# Allegro board 8880F5-0823_2_1.brd (continued)
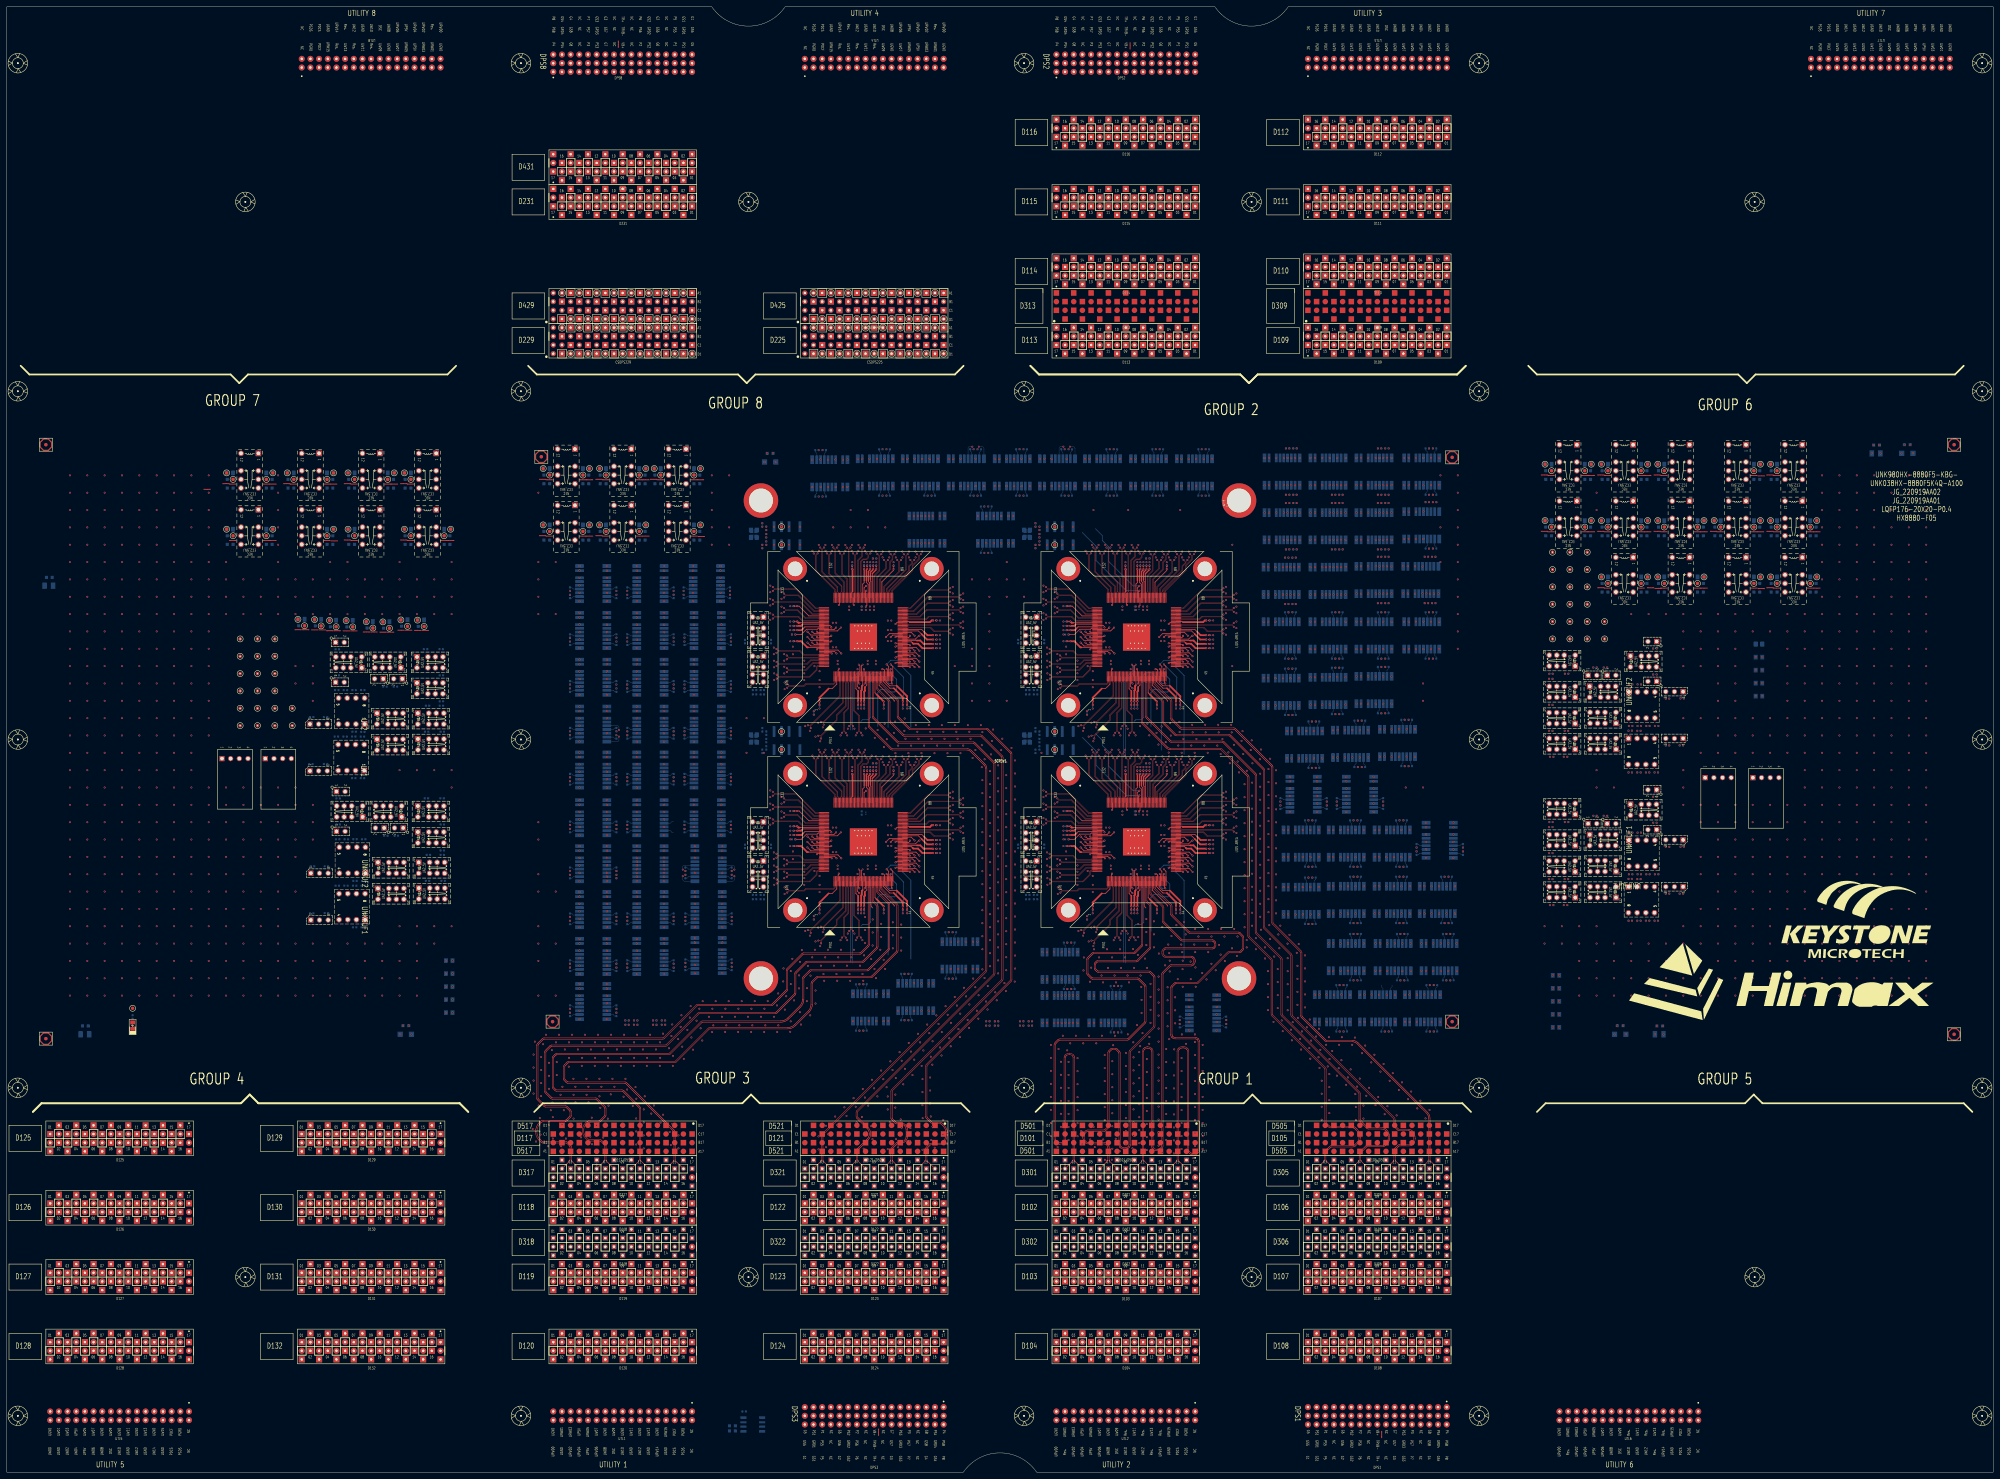
[diagram p0: board, top side]
## Routing (per net, layer and track width the routed paths; a pad name or vN(x,y) marks a point on that pad's centre or on a via; arc(x,y) is an arc through that point) (continued)
S2_SCAN_DCH018: length 3.7
  TOP w0.231: v1(345.83,240.63) 345.23,241.23 SITE2.58
S2_SCAN_DCH019: length 5.3
  TOP w0.231: SITE2.59 346.22,241.63 v1(347.22,240.63)
S2_SCAN_DCH020: length 2.2
  TOP w0.231: SITE2.60 340.43,242.03 v1(340.23,241.83)
S2_SCAN_DCH021: length 2.2
  TOP w0.231: v1(344.43,242.23) 344.23,242.43 SITE2.61
S2_SCAN_DCH024: length 2.2
  TOP w0.231: v1(340.23,244.63) 340.43,244.83 SITE2.67
S2_SCAN_DCH025: length 3.7
  TOP w0.231: v1(338.83,244.63) 339.43,245.23 SITE2.68
S2_SCAN_DCH026: length 5.3
  TOP w0.231: SITE2.69 338.44,245.63 v1(337.44,244.63)
S2_SCAN_DCH031: length 3.7
  TOP w0.231: SITE2.149 322.23,246.83 v1(322.83,247.43)
S2_SCAN_DCH032: length 5.3
  TOP w0.231: v1(324.22,247.43) 323.22,246.43 SITE2.150
S2_SCAN_DCH033: length 2.2
  TOP w0.231: v1(317.23,246.23) 317.43,246.03 SITE2.151
S2_SCAN_DCH034: length 3.7
  TOP w0.231: SITE2.152 316.43,245.63 v1(315.83,246.23)
S2_SPI_1_CSN:
  vias: v1(474.99,230.78)
S2_SPI_1_SCK:
  vias: v1(480.07,218.59)
S2_SPI_1_SDI:
  vias: v1(456.19,217.17)
S2_SPI_1_SDO:
  vias: v1(455.94,209.55)
S2_SPI_2_CSN:
  vias: v1(475.87,217.23)
S2_SPI_2_SCK:
  vias: v1(479.97,204.98)
S2_SPI_2_SDI:
  vias: v1(451.62,217.17)
S2_SPI_2_SDO:
  vias: v1(451.87,209.55)
S2_SPI_11_SDI:
  vias: v1(457.19,217.17) v1(477.53,230.78)
S2_SPI_11_SDO:
  vias: v1(456.94,209.55) v1(482.61,218.59)
S2_SPI_22_SDI:
  vias: v1(452.62,217.17) v1(477.43,217.17)
S2_SPI_22_SDO:
  vias: v1(452.87,209.55) v1(482.51,204.98)
S2_SPI_CSN: length 25.9
  TOP w0.231: SITE2.43 339.03,231.23 v1(339.23,231.03)
  BOTTOM w0.231: v1(339.23,231.03) 338.4,231.03 335.17,234.25 333.57,234.25 332.91,233.59 332.91,221.11 332.25,220.44 330.61,220.44 330.11,219.95
S2_SPI_SCK: length 25.3
  TOP w0.231: v1(338.83,235.23) 338.63,235.03 SITE2.42
  BOTTOM w0.231: 335.03,218.48 335.03,228.39 335.92,229.27 337.17,229.27 337.9,228.54 339.96,228.54 340.53,229.11 340.53,232.28 338.83,233.98 v1(338.83,235.23)
S2_SPI_SDI: length 34.1
  TOP w0.231: v1(338.83,236.63) 339.43,236.03 SITE2.44
  BOTTOM w0.231: v1(338.83,236.63) 342.6,232.86 342.6,227.63 342.04,227.06 338.85,227.06 338.07,226.28 338.07,211.53
S2_SPI_SDO: length 37
  TOP w0.231: v1(337.63,236.63) 338.23,236.03 SITE2.41
  BOTTOM w0.231: 344.72,210.32 344.72,233.4 342.29,235.83 342.29,237.04 341.5,237.83 338.83,237.83 v1(337.63,236.63)
S2_XTAL_IN: length 28.3
  TOP w0.231: SITE2.109 331.43,258.03 v1(331.63,258.23)
  BOTTOM w0.231: 314.98,275.24 318.94,271.27 318.94,267.1 327.82,258.23 v1(331.63,258.23)
  vias: v1(306.85,271.67)
S2_XTAL_OUT: length 26.8
  TOP w0.231: v1(331.63,259.63) 331.03,259.03 SITE2.110
  BOTTOM w0.231: v1(331.63,259.63) 329.83,259.63 322.59,266.87 322.59,271.15 320.8,272.93 320.8,274.36 318.8,276.35
  vias: v1(306.85,276.97)
S3_1TX_100DCH001+: length 267
  L07_SIGNAL w0.071: v1(276.97,144.59) 276.57,144.59 276.5,144.52 276.5,136.26 274.73,134.49 274.73,107.93 280.73,101.92 280.73,52.62 275.81,47.71 267.67,47.71 266.64,48.73 266.64,53.4 264.16,55.88
  L30_SIGNAL w0.071: v1(276.97,144.59) 276.5,144.12 276.5,140.56 273.33,137.39 268.79,137.39 266.84,135.43 266.84,131.56 263.39,128.1 197.68,128.1 195.89,129.89 195.89,136.8 188.37,144.32 188.37,176.38 188.09,176.66 v1(184.47,176.66)
S3_1TX_100DCH001-: length 265.6
  L07_SIGNAL w0.071: v1(275.82,144.59) 276.23,144.59 276.3,144.52 276.3,136.34 274.53,134.57 274.53,107.84 280.53,101.84 280.53,52.7 275.73,47.9 267.75,47.9 266.84,48.82 266.84,53.48 269.24,55.88
  L30_SIGNAL w0.071: v1(192.47,176.66) 188.84,176.66 188.57,176.38 188.57,144.41 196.09,136.88 196.09,129.97 197.76,128.3 263.31,128.3 266.64,131.64 266.64,135.52 268.71,137.58 273.24,137.58 276.3,140.64 276.3,144.12 v1(275.82,144.59)
S3_1TX_100DCH002+: length 168.4
  TOP w0.086: SITE3.75 263.98,188.03 264.06,188.11 278.84,188.11 v1(279.29,187.66)
  L07_SIGNAL w0.071: 266.7,58.42 269.11,60.83 269.11,61.56 269.79,62.24 275.06,62.24 277.48,64.65 277.48,102.78 272.28,107.97 272.28,129.23 273.6,130.54 273.6,143.9 271.58,145.92 271.58,158.92 272.89,160.23 275.77,160.23 276.5,159.5 276.5,158.25 276.57,158.18 v1(276.97,158.18)
  L30_SIGNAL w0.071: v1(279.29,187.66) 278.82,188.13 278.21,188.13 277.84,187.75 277.84,171.96 276.51,170.64 276.51,158.64 v1(276.97,158.18)
S3_1TX_100DCH002-: length 168.1
  TOP w0.086: SITE3.76 263.98,188.43 264.06,188.35 278.84,188.35 v1(279.29,188.8)
  L07_SIGNAL w0.071: v1(275.82,158.18) 276.23,158.18 276.3,158.25 276.3,159.42 275.69,160.03 272.97,160.03 271.78,158.83 271.78,146 273.79,143.98 273.79,130.46 272.48,129.14 272.48,108.06 277.67,102.86 277.67,64.57 275.15,62.04 269.87,62.04 269.31,61.48 269.31,60.89 271.78,58.42
  L30_SIGNAL w0.071: v1(275.82,158.18) 276.31,158.66 276.31,170.72 277.64,172.05 277.64,187.83 278.13,188.33 278.82,188.33 v1(279.29,188.8)
S3_1TX_100DCH003+: length 226.2
  TOP w0.086: v1(276.24,190.09) 275.8,190.53 270.02,190.53 269.2,189.71 264.06,189.71 263.98,189.63 SITE3.79
  L07_SIGNAL w0.071: v1(250.81,129.35) 250.4,129.35 250.33,129.28 250.33,128.39 222.24,100.3 222.24,51.94 226.52,47.66 253.05,47.66 256.47,51.08 256.47,53.46 254.05,55.88 254,55.88
  L30_SIGNAL w0.071: v1(250.81,129.35) 250.33,129.82 250.33,130.94 253.43,134.03 253.43,140.18 258.74,145.49 258.74,164.96 263.84,170.06 263.84,189.54 264.86,190.56 275.77,190.56 v1(276.24,190.09)
S3_1TX_100DCH003-: length 227.2
  TOP w0.086: v1(276.24,191.23) 275.78,190.77 269.92,190.77 269.1,189.95 264.06,189.95 263.98,190.03 SITE3.80
  L07_SIGNAL w0.071: v1(249.66,129.35) 250.06,129.35 250.14,129.28 250.14,128.48 222.04,100.38 222.04,51.86 226.44,47.46 253.14,47.46 256.67,50.99 256.67,53.47 259.08,55.88
  L30_SIGNAL w0.071: v1(276.24,191.23) 275.77,190.76 264.77,190.76 263.64,189.62 263.64,170.14 258.54,165.04 258.54,145.57 253.23,140.26 253.23,134.12 250.13,131.02 250.13,129.82 v1(249.66,129.35)
S3_1TX_100DCH004+: length 242.8
  TOP w0.086: v1(279.29,192.02) 278.8,192.51 269.46,192.51 267.46,190.51 264.06,190.51 263.98,190.43 SITE3.81
  L07_SIGNAL w0.071: 180.34,55.88 182.84,53.38 182.84,49.46 184.32,47.98 202.8,47.98 208.13,53.31 208.13,96.73 248.85,137.45 248.85,140.35 250.33,141.84 250.33,142.87 250.4,142.94 v1(250.81,142.94)
  L30_SIGNAL w0.071: v1(250.81,142.94) 250.33,142.46 250.33,141.49 250.71,141.11 252.76,141.11 255.37,143.72 255.37,146.79 257.5,148.93 257.5,166.01 261.97,170.48 261.97,189.55 265.26,192.84 277.24,192.84 279.47,190.61 280.88,190.61 281.3,191.03 281.3,191.99 280.8,192.49 279.76,192.49 v1(279.29,192.02)
S3_1TX_100DCH004-: length 243
  TOP w0.086: SITE3.82 263.98,190.83 264.06,190.75 267.37,190.75 269.36,192.75 278.88,192.75 v1(279.29,193.16)
  L07_SIGNAL w0.071: v1(249.66,142.94) 250.06,142.94 250.14,142.87 250.14,141.92 248.65,140.44 248.65,137.53 207.93,96.82 207.93,53.4 202.71,48.17 184.41,48.17 183.04,49.54 183.04,53.5 185.42,55.88
  L30_SIGNAL w0.071: v1(249.66,142.94) 250.13,142.47 250.13,141.41 250.63,140.91 252.84,140.91 255.56,143.63 255.56,146.71 257.7,148.85 257.7,165.93 262.17,170.39 262.17,189.47 265.34,192.64 277.15,192.64 279.39,190.41 280.96,190.41 281.5,190.95 281.5,192.08 280.89,192.69 279.76,192.69 v1(279.29,193.16)
S3_1TX_100DCH005+: length 220
  TOP w0.086: SITE3.83 263.98,191.23 264.06,191.31 266.53,191.31 269.61,194.39 275.8,194.39 v1(276.24,193.95)
  L07_SIGNAL w0.071: 246.38,58.42 248.79,60.83 248.79,61.46 248.32,61.94 230.56,61.94 226.2,66.3 226.2,98.56 261.49,133.85 262.98,133.85 263.54,133.29 263.54,132.47 263.61,132.4 v1(264.01,132.4)
  L30_SIGNAL w0.071: v1(276.24,193.95) 276.72,194.42 280.68,194.42 282.25,192.85 282.25,160.74 278.41,156.91 268.76,156.91 259.65,147.8 259.65,131.08 260.69,130.04 262.93,130.04 263.54,130.64 263.54,131.93 v1(264.01,132.4)
S3_1TX_100DCH005-: length 219
  TOP w0.086: v1(276.24,195.09) 275.78,194.63 269.51,194.63 266.43,191.55 264.06,191.55 263.98,191.63 SITE3.84
  L07_SIGNAL w0.071: v1(262.87,132.4) 263.27,132.4 263.34,132.47 263.34,133.21 262.9,133.65 261.58,133.65 226.4,98.47 226.4,66.38 230.65,62.13 248.4,62.13 248.99,61.54 248.99,60.89 251.46,58.42
  L30_SIGNAL w0.071: v1(262.87,132.4) 263.34,131.93 263.34,130.73 262.85,130.23 260.77,130.23 259.84,131.16 259.84,147.71 268.84,156.71 278.5,156.71 282.44,160.66 282.44,192.94 280.76,194.62 276.72,194.62 v1(276.24,195.09)
S3_1TX_100DCH006+: length 225.2
  TOP w0.086: v1(279.29,195.88) 278.81,196.36 269.82,196.36 265.58,192.11 264.06,192.11 263.98,192.03 SITE3.85
  L07_SIGNAL w0.071: 243.84,55.88 246.3,53.42 246.3,51.63 244.73,50.07 228.14,50.07 224.31,53.89 224.31,100.65 261.98,138.32 261.98,143.16 263.54,144.73 263.54,145.91 263.61,145.99 v1(264.01,145.99)
  L30_SIGNAL w0.071: v1(279.29,195.88) 279.76,196.35 281.29,196.35 283.34,194.3 283.34,159.09 268.45,144.19 264.03,144.19 263.55,144.67 263.55,145.53 v1(264.01,145.99)
S3_1TX_100DCH006-: length 226.8
  TOP w0.086: SITE3.86 263.98,192.43 264.06,192.35 265.48,192.35 269.73,196.6 278.87,196.6 v1(279.29,197.02)
  L07_SIGNAL w0.071: v1(262.87,145.99) 263.27,145.99 263.34,145.91 263.34,144.81 261.78,143.25 261.78,138.4 224.12,100.74 224.12,53.81 228.06,49.87 244.82,49.87 246.5,51.55 246.5,53.46 248.92,55.88
  L30_SIGNAL w0.071: v1(279.29,197.02) 279.76,196.55 281.38,196.55 283.54,194.38 283.54,159 268.54,144 263.95,144 263.36,144.59 263.36,145.5 v1(262.87,145.99)
S3_1TX_100DCH007+: length 297.6
  TOP w0.086: SITE3.87 263.98,192.83 264.06,192.91 264.57,192.91 269.88,198.23 275.83,198.23 v1(276.24,197.81)
  L07_SIGNAL w0.071: 182.88,58.42 185.31,60.85 185.31,61.99 186,62.68 201.1,62.68 203.04,64.61 203.04,105.2 191.01,117.23 172.11,117.23 170.32,119.03 170.32,126.5 172.12,128.3 172.12,173.54 175.06,176.49 176.33,176.49 177.16,175.66 178.43,175.66 178.5,175.73 v1(178.5,176.13)
  L30_SIGNAL w0.071: v1(178.5,176.13) 178.02,175.66 177.04,175.66 176.57,176.12 176.57,182.68 178.97,185.08 210.54,185.08 214.32,188.86 225.81,188.86 227.67,190.71 243.03,190.71 250.6,198.28 275.77,198.28 v1(276.24,197.81)
S3_1TX_100DCH007-: length 298
  TOP w0.086: v1(276.24,198.95) 275.76,198.47 269.78,198.47 264.47,193.15 264.06,193.15 263.98,193.23 SITE3.88
  L07_SIGNAL w0.071: 187.96,58.42 185.51,60.87 185.51,61.91 186.08,62.48 201.19,62.48 203.24,64.53 203.24,105.28 191.09,117.43 172.2,117.43 170.51,119.12 170.51,126.42 172.31,128.22 172.31,173.46 175.15,176.29 176.25,176.29 177.08,175.46 178.43,175.46 178.5,175.39 v1(178.5,174.99)
  L30_SIGNAL w0.071: v1(276.24,198.95) 275.77,198.48 250.52,198.48 242.95,190.91 227.59,190.91 225.73,189.06 214.24,189.06 210.46,185.28 178.89,185.28 176.37,182.76 176.37,176.04 176.95,175.46 178.03,175.46 v1(178.5,174.99)
S3_2AUX+:
  vias: v1(192.78,132.33) v1(192.78,131.06)
S3_2AUX-:
  vias: v1(189.24,131.06) v1(190.24,132.33)
S3_2TX_100DCH001+: length 408.7
  TOP w0.086: v1(267.64,208.93) 267.21,208.5 267.21,207.41 265.32,205.52 265.32,204.13 259.35,198.16 259.35,197.86 259.43,197.78 SITE3.89
  L05_SIGNAL w0.071: v1(164.91,176.13) 164.91,175.73 164.98,175.66 166.14,175.66 166.45,175.35 166.45,171.77 161.32,166.65 158.93,166.65 157.14,164.86 157.14,126.76 158.12,125.77 158.12,110.78 152.24,104.9 152.24,32.51 155.33,29.42 160.27,29.42 162.44,31.6 162.44,33.14 160.02,35.56
  L32_SIGNAL w0.071: v1(267.64,208.93) 267.17,208.46 267.17,207.59 261.46,201.88 261.46,166.55 258.62,163.71 258.62,142.82 251.83,136.03 230.59,136.03 228.76,134.2 209.84,134.2 204.93,139.12 177.78,139.12 176.55,140.35 159.38,140.35 153.4,146.33 153.4,170.72 158.34,175.66 164.84,175.66 164.91,175.73 v1(164.91,176.13)
S3_2TX_100DCH001-: length 408.1
  TOP w0.086: v1(266.5,208.93) 266.97,208.46 266.97,207.51 265.08,205.62 265.08,204.23 259.11,198.26 259.11,197.86 259.03,197.78 SITE3.90
  L05_SIGNAL w0.071: 165.1,35.56 162.64,33.1 162.64,31.52 160.35,29.22 155.25,29.22 152.04,32.43 152.04,104.98 157.93,110.86 157.93,125.69 156.94,126.67 156.94,164.94 158.85,166.84 161.24,166.84 166.25,171.86 166.25,175.27 166.06,175.46 164.98,175.46 164.91,175.39 v1(164.91,174.99)
  L32_SIGNAL w0.071: v1(266.5,208.93) 266.97,208.46 266.97,207.67 261.26,201.96 261.26,166.64 258.42,163.79 258.42,142.9 251.75,136.23 230.5,136.23 228.68,134.4 209.92,134.4 205.01,139.32 177.87,139.32 176.64,140.55 159.47,140.55 153.6,146.41 153.6,170.64 158.42,175.46 164.84,175.46 164.91,175.39 v1(164.91,174.99)
S3_2TX_100DCH002+: length 360.7
  TOP w0.086: v1(265.72,207.21) 265.28,206.78 265.28,206.31 264.35,205.37 264.35,204.04 258.55,198.23 258.55,197.86 258.63,197.78 SITE3.91
  L05_SIGNAL w0.071: 243.84,35.56 246.35,33.05 246.35,26.88 244.31,24.84 215.45,24.84 210.75,29.54 210.75,95.7 189.15,117.29 189.15,125.93 187.15,127.93 187.15,129.97 188.03,130.85 188.03,216.45 190.8,219.23 195.79,219.23 196.32,218.7 196.32,217.04 195.83,216.55 195.33,216.55 195.26,216.62 v1(195.26,217.02)
  L32_SIGNAL w0.071: v1(195.26,217.02) 195.73,216.55 196.59,216.55 196.87,216.83 196.87,219.04 199.94,222.12 217.87,222.12 221.57,218.41 231.09,218.41 233.94,221.25 260.44,221.25 265.89,215.81 265.89,212.05 265.24,211.41 265.24,207.69 v1(265.72,207.21)
S3_2TX_100DCH002-: length 362
  TOP w0.086: v1(264.57,207.21) 265.04,206.74 265.04,206.4 264.11,205.47 264.11,204.13 258.31,198.33 258.31,197.86 258.23,197.78 SITE3.92
  L05_SIGNAL w0.071: v1(195.26,215.88) 195.26,216.28 195.33,216.35 195.91,216.35 196.51,216.95 196.51,218.79 195.87,219.43 190.72,219.43 187.83,216.54 187.83,130.93 186.95,130.05 186.95,127.85 188.95,125.85 188.95,117.21 210.55,95.62 210.55,29.46 215.37,24.64 244.39,24.64 246.55,26.8 246.55,33.19 248.92,35.56
  L32_SIGNAL w0.071: v1(264.57,207.21) 265.04,207.69 265.04,211.49 265.69,212.14 265.69,215.73 260.36,221.06 234.02,221.06 231.17,218.21 221.49,218.21 217.78,221.92 200.02,221.92 197.07,218.96 197.07,216.75 196.67,216.35 195.73,216.35 v1(195.26,215.88)
S3_2TX_100DCH003+: length 332
  TOP w0.086: v1(263.79,208.93) 263.34,208.49 263.34,204.27 257.75,198.68 257.75,197.86 257.83,197.78 SITE3.93
  L05_SIGNAL w0.071: 182.88,38.1 185.3,40.52 185.3,44.75 188.98,48.43 199.81,48.43 203.42,52.04 203.42,92.96 199.6,96.78 189.17,96.78 169.39,116.56 169.39,124.8 170.72,126.12 170.72,199.25 180.08,208.61 180.08,216.14 180.49,216.55 181.6,216.55 181.67,216.62 v1(181.67,217.02)
  L32_SIGNAL w0.071: v1(263.79,208.93) 263.31,209.4 263.31,213.14 260.75,215.71 260.75,217.22 257.42,220.55 234.34,220.55 230.43,216.64 221.51,216.64 218.31,219.84 199.35,219.84 197.58,218.06 197.58,216.06 196.49,214.97 184.93,214.97 183.36,216.55 182.15,216.55 v1(181.67,217.02)
S3_2TX_100DCH003-: length 331.4
  TOP w0.086: SITE3.94 257.43,197.78 257.51,197.86 257.51,198.78 263.1,204.37 263.1,208.47 v1(262.64,208.93)
  L05_SIGNAL w0.071: 187.96,38.1 185.5,40.56 185.5,44.67 189.06,48.23 199.89,48.23 203.62,51.96 203.62,93.04 199.68,96.97 189.26,96.97 169.59,116.64 169.59,124.71 170.92,126.04 170.92,199.17 180.28,208.53 180.28,216.06 180.57,216.35 181.6,216.35 181.67,216.28 v1(181.67,215.88)
  L32_SIGNAL w0.071: v1(262.64,208.93) 263.12,209.4 263.12,213.06 260.55,215.63 260.55,217.14 257.33,220.36 234.42,220.36 230.51,216.44 221.42,216.44 218.23,219.64 199.43,219.64 197.77,217.98 197.77,215.98 196.57,214.77 184.85,214.77 183.27,216.35 182.15,216.35 v1(181.67,215.88)
S3_2TX_100DCH004+: length 279.4
  TOP w0.086: v1(261.86,207.21) 261.41,206.77 261.41,203.74 256.95,199.28 256.95,197.86 257.03,197.78 SITE3.95
  L05_SIGNAL w0.071: 233.68,55.88 236.16,53.4 236.16,51.28 234.39,49.5 229.4,49.5 227.44,51.47 227.44,93.68 204.68,116.43 204.68,132.21 202.26,134.64 202.26,138.34 204.1,140.18 204.1,215.61 208.21,219.72 212.01,219.72 213.37,218.35 213.37,216.79 213.14,216.55 212.1,216.55 212.03,216.62 v1(212.03,217.02)
  L32_SIGNAL w0.071: v1(212.03,217.02) 212.5,216.55 219.43,216.55 220.48,215.5 230.96,215.5 232.02,216.55 238.79,216.55 241.81,219.57 254.14,219.57 258.84,214.86 258.84,213.71 261.38,211.17 261.38,207.69 v1(261.86,207.21)
S3_2TX_100DCH004-: length 280.6
  TOP w0.086: SITE3.96 256.63,197.78 256.71,197.86 256.71,199.38 261.17,203.84 261.17,206.75 v1(260.71,207.21)
  L05_SIGNAL w0.071: 238.76,55.88 236.36,53.48 236.36,51.19 234.47,49.3 229.32,49.3 227.24,51.39 227.24,93.59 204.49,116.35 204.49,132.13 202.06,134.55 202.06,138.42 203.91,140.27 203.91,215.69 208.13,219.92 212.09,219.92 213.57,218.43 213.57,216.7 213.22,216.35 212.1,216.35 212.03,216.28 v1(212.03,215.88)
  L32_SIGNAL w0.071: v1(260.71,207.21) 261.19,207.69 261.19,211.08 258.64,213.63 258.64,214.78 254.05,219.37 241.9,219.37 238.88,216.35 232.1,216.35 231.04,215.3 220.4,215.3 219.35,216.35 212.5,216.35 v1(212.03,215.88)
S3_2TX_100DCH005+: length 296.2
  TOP w0.086: SITE3.98 255.83,197.78 255.75,197.86 255.75,201.48 258.7,204.43 258.7,206.53 259.46,207.3 259.46,208.47 v1(259.93,208.93)
  L05_SIGNAL w0.071: 246.38,38.1 248.78,40.5 248.78,42.88 245.98,45.67 229.67,45.67 223.21,52.14 223.21,92.38 200.18,115.41 200.18,121.07 198.35,122.89 198.35,136.45 199.83,137.92 199.83,204.64 197.03,207.43 197.03,216 197.58,216.55 198.37,216.55 198.44,216.62 v1(198.44,217.02)
  L32_SIGNAL w0.071: v1(198.44,217.02) 198.91,216.55 199.83,216.55 203.46,212.92 209.57,212.92 210.21,213.56 238.43,213.56 239.71,214.83 251.01,214.83 252.06,215.88 254.93,215.88 259.45,211.36 259.45,209.4 v1(259.93,208.93)
S3_2TX_100DCH005-: length 295.5
  TOP w0.086: SITE3.99 255.43,197.78 255.51,197.86 255.51,201.58 258.46,204.53 258.46,206.63 259.23,207.4 259.23,208.49 v1(258.78,208.93)
  L05_SIGNAL w0.071: 251.46,38.1 248.98,40.58 248.98,42.96 246.07,45.87 229.75,45.87 223.41,52.22 223.41,92.46 200.37,115.49 200.37,121.15 198.55,122.97 198.55,136.36 200.02,137.84 200.02,204.72 197.23,207.51 197.23,215.92 197.66,216.35 198.37,216.35 198.44,216.28 v1(198.44,215.88)
  L32_SIGNAL w0.071: v1(198.44,215.88) 198.91,216.35 199.74,216.35 203.38,212.72 209.65,212.72 210.29,213.36 238.51,213.36 239.79,214.63 251.09,214.63 252.15,215.68 254.85,215.68 259.26,211.28 259.26,209.4 v1(258.78,208.93)
S3_2TX_100DCH006+: length 490.9
  TOP w0.086: v1(258,207.21) 257.55,206.76 257.55,204.67 254.95,202.07 254.95,197.86 255.03,197.78 SITE3.100
  L05_SIGNAL w0.071: v1(195.26,203.56) 195.26,203.16 195.33,203.09 195.95,203.09 196.26,203.39 196.26,204.11 196.02,204.34 192.17,204.34 189.43,201.6 189.43,134.97 190.98,133.42 190.98,127.43 190.24,126.7 190.24,125.17 192.31,123.1 192.31,116.86 212.61,96.57 212.61,30.94 217.07,26.48 233.19,26.48 236.05,29.34 236.05,33.19 233.68,35.56
  L32_SIGNAL w0.071: v1(258,207.21) 257.53,206.74 257.53,199.63 246.05,188.16 246.05,163.05 239.55,156.54 236.39,156.54 235.09,155.24 223.55,155.24 222.99,155.81 217.95,155.81 204.38,142.23 162.92,142.23 157.35,147.81 157.35,164.69 166.02,173.36 166.02,180.4 157.98,188.44 157.98,203.53 162.97,208.52 188.15,208.52 193.58,203.09 194.79,203.09 v1(195.26,203.56)
S3_2TX_100DCH006-: length 491.6
  TOP w0.086: v1(256.85,207.21) 257.31,206.76 257.31,204.77 254.71,202.17 254.71,197.86 254.63,197.78 SITE3.101
  L05_SIGNAL w0.071: 238.76,35.56 236.25,33.05 236.25,29.26 233.27,26.28 216.99,26.28 212.41,30.86 212.41,96.49 192.12,116.78 192.12,123.02 190.04,125.09 190.04,126.78 190.78,127.52 190.78,133.34 189.24,134.88 189.24,201.69 192.09,204.54 196.1,204.54 196.45,204.19 196.45,203.31 196.03,202.89 195.33,202.89 195.26,202.82 v1(195.26,202.42)
  L32_SIGNAL w0.071: v1(195.26,202.42) 194.79,202.89 193.5,202.89 188.07,208.32 163.06,208.32 158.18,203.44 158.18,188.52 166.22,180.48 166.22,173.28 157.54,164.61 157.54,147.89 163,142.43 204.3,142.43 217.87,156 223.07,156 223.63,155.44 235.01,155.44 236.31,156.74 239.47,156.74 245.86,163.13 245.86,188.24 257.33,199.71 257.33,206.74 v1(256.85,207.21)
S3_2TX_100DCH007+: length 447.2
  TOP w0.086: v1(256.07,208.93) 255.64,208.51 255.64,204.07 254.15,202.58 254.15,197.86 254.23,197.78 SITE3.102
  L05_SIGNAL w0.071: 193.04,38.1 195.48,40.54 195.48,45.26 197.16,46.93 199.83,46.93 204.49,51.6 204.49,93.32 199.92,97.89 193.67,97.89 187.91,103.65 185.38,103.65 175.82,113.21 175.82,114.76 173.43,117.15 173.43,125.8 172.13,127.1 172.13,128.85 172.92,129.63 172.92,160.58 177.08,164.74 177.08,200.03 180.14,203.09 181.6,203.09 181.67,203.16 v1(181.67,203.56)
  L32_SIGNAL w0.071: v1(181.67,203.56) 181.2,203.09 180.18,203.09 176.92,206.34 162.45,206.34 159.1,203 159.1,189.56 162.87,185.79 167.01,185.79 170.41,182.4 170.41,173.57 168.42,171.58 165.61,171.58 159.73,165.71 159.73,149.11 164.77,144.08 198.32,144.08 203.77,149.52 209.77,149.52 219.71,159.46 235.79,159.46 239.07,162.73 239.07,190.23 240.92,192.08 246.96,192.08 255.6,200.72 255.6,208.46 v1(256.07,208.93)
S3_2TX_100DCH007-: length 445.9
  TOP w0.086: v1(254.93,208.93) 255.4,208.46 255.4,204.17 253.91,202.68 253.91,197.86 253.83,197.78 SITE3.103
  L05_SIGNAL w0.071: 198.12,38.1 195.68,40.54 195.68,45.17 197.25,46.74 199.91,46.74 204.69,51.51 204.69,93.4 200,98.09 193.75,98.09 187.99,103.85 185.46,103.85 176.02,113.3 176.02,114.84 173.63,117.23 173.63,125.88 172.33,127.18 172.33,128.76 173.11,129.54 173.11,160.49 177.28,164.65 177.28,199.94 180.22,202.89 181.6,202.89 181.67,202.82 v1(181.67,202.42)
  L32_SIGNAL w0.071: v1(181.67,202.42) 181.2,202.89 180.09,202.89 176.84,206.15 162.53,206.15 159.3,202.92 159.3,189.64 162.95,185.99 167.09,185.99 170.61,182.48 170.61,173.49 168.5,171.38 165.69,171.38 159.93,165.62 159.93,149.19 164.85,144.27 198.24,144.27 203.68,149.72 209.69,149.72 219.63,159.65 235.71,159.65 238.87,162.82 238.87,190.31 240.84,192.28 246.88,192.28 255.4,200.8 255.4,208.46 v1(254.93,208.93)
S3_3TX_100DCH002+: length 270.1
  TOP w0.086: SITE3.114 249.43,197.78 249.35,197.86 249.35,207.06 250.46,208.18 250.46,210.4 v1(250.93,210.87)
  L07_SIGNAL w0.071: v1(181.67,189.59) 181.67,189.19 181.6,189.12 180.28,189.12 171.06,179.9 171.06,139.79 157.96,126.69 157.96,108.54 151.78,102.36 151.78,67.26 156.56,62.48 174.41,62.48 175.14,61.76 175.14,60.84 172.72,58.42
  L30_SIGNAL w0.071: v1(250.93,210.87) 250.46,210.4 250.46,201.62 241.58,192.74 229.18,192.74 227.84,194.08 226.05,194.08 224.29,192.32 181.11,192.32 179.95,191.16 179.95,189.42 180.25,189.12 181.21,189.12 v1(181.67,189.59)
S3_3TX_100DCH002-: length 270.1
  TOP w0.086: SITE3.115 249.03,197.78 249.11,197.86 249.11,207.16 250.22,208.28 250.22,210.43 v1(249.79,210.87)
  L07_SIGNAL w0.071: 177.8,58.42 175.34,60.88 175.34,61.84 174.5,62.68 156.64,62.68 151.98,67.34 151.98,102.28 158.16,108.46 158.16,126.61 171.26,139.71 171.26,179.81 180.37,188.92 181.6,188.92 181.67,188.85 v1(181.67,188.45)
  L30_SIGNAL w0.071: v1(181.67,188.45) 181.2,188.93 180.16,188.93 179.75,189.34 179.75,191.24 181.02,192.51 224.21,192.51 225.97,194.27 227.92,194.27 229.26,192.94 241.5,192.94 250.26,201.7 250.26,210.4 v1(249.79,210.87)
S3_3TX_100DCH003+: length 305
  TOP w0.086: SITE3.116 248.63,197.78 248.55,197.86 248.55,208.77 v1(248.93,209.15)
  L07_SIGNAL w0.071: 160.02,55.88 162.43,53.47 162.43,48.83 160.09,46.49 151.15,46.49 145.39,52.25 145.39,176.4 167.54,198.56 178.26,198.56 179.96,200.25 179.96,202.65 179.52,203.09 178.57,203.09 178.5,203.16 v1(178.5,203.56)
  L30_SIGNAL w0.071: v1(178.5,203.56) 178.02,203.09 176.76,203.09 176.32,202.66 176.32,199.55 177.12,198.76 209.42,198.76 211.4,196.78 224.13,196.78 226.06,194.86 241.68,194.86 248.46,201.64 248.46,208.68 v1(248.93,209.15)
S3_3TX_100DCH003-: length 304.4
  TOP w0.086: v1(247.79,209.15) 248.31,208.63 248.31,197.86 248.23,197.78 SITE3.117
  L07_SIGNAL w0.071: v1(178.5,202.42) 178.5,202.82 178.57,202.89 179.44,202.89 179.76,202.57 179.76,200.33 178.18,198.75 167.46,198.75 145.19,176.48 145.19,52.17 151.06,46.29 160.17,46.29 162.63,48.75 162.63,53.41 165.1,55.88
  L30_SIGNAL w0.071: v1(178.5,202.42) 178.03,202.89 176.84,202.89 176.52,202.57 176.52,199.64 177.2,198.96 209.51,198.96 211.48,196.98 224.21,196.98 226.14,195.06 241.6,195.06 248.26,201.72 248.26,208.68 v1(247.79,209.15)
S3_3TX_100DCH004+: length 313.6
  TOP w0.086: v1(247.07,210.87) 246.61,210.41 246.61,202.62 246.95,202.28 246.95,197.86 247.03,197.78 SITE3.120
  L07_SIGNAL w0.071: 170.18,55.88 172.62,53.44 172.62,46.62 170.05,44.04 151.08,44.04 141.42,53.7 141.42,173.65 166.39,198.61 166.39,202.4 165.71,203.09 164.98,203.09 164.91,203.16 v1(164.91,203.56)
  L30_SIGNAL w0.071: v1(247.07,210.87) 246.6,211.34 246.6,211.94 241.91,216.63 217.62,216.63 211.32,210.32 173.91,210.32 166.68,203.09 165.38,203.09 v1(164.91,203.56)
S3_3TX_100DCH004-: length 313.6
  TOP w0.086: SITE3.121 246.63,197.78 246.71,197.86 246.71,202.19 246.38,202.52 246.38,210.42 v1(245.93,210.87)
  L07_SIGNAL w0.071: 175.26,55.88 172.82,53.44 172.82,46.54 170.13,43.84 151,43.84 141.23,53.62 141.23,173.73 166.19,198.69 166.19,202.32 165.62,202.89 164.98,202.89 164.91,202.82 v1(164.91,202.42)
  L30_SIGNAL w0.071: v1(164.91,202.42) 165.38,202.89 166.76,202.89 174,210.12 211.4,210.12 217.71,216.43 241.83,216.43 246.4,211.86 246.4,211.34 v1(245.93,210.87)
S3_3TX_100DCH005+: length 249
  TOP w0.086: SITE3.122 246.23,197.78 246.15,197.86 246.15,201.71 244.69,203.17 244.69,208.7 v1(245.14,209.15)
  L07_SIGNAL w0.071: 190.5,55.88 192.92,53.46 192.92,51.74 194.76,49.91 202.21,49.91 205.38,53.08 205.38,130.7 204.15,131.93 204.15,136.02 205.24,137.11 205.24,204.32 206.86,205.94 213.21,205.94 214.13,205.02 214.13,203.78 213.45,203.09 212.1,203.09 212.03,203.16 v1(212.03,203.56)
  L30_SIGNAL w0.071: v1(245.14,209.15) 244.67,208.68 244.67,202.26 240,197.59 228.42,197.59 221.33,204.68 210.89,204.68 210.24,204.03 210.24,203.55 210.7,203.09 211.55,203.09 v1(212.03,203.56)
